# Allegro board 8880F5-0827_6.brd (continued)
## Routing (per net, layer and track width the routed paths; a pad name or vN(x,y) marks a point on that pad's centre or on a via; arc(x,y) is an arc through that point) (continued)
 125.27,55.88 ; 321.77,415.29 DPS2.A11 ; DPS2.A11 323.39,415.29 ; DPS2.A11 322.58,416.1 ; DPS2.A11 322.58,414.48 ; D114.B14 314.96,348.79 ; D114.B14 315.77,347.98 ; D114.B14 314.96,347.17 ; D114.B14 314.15,347.98 ; 185.42,67.87 D318.B11 ; D318.B11 186.13,68.58 ; D318.B11 185.42,69.29 ; D318.B11 184.71,68.58 ; 233.68,62.79 D322.A1 ; D322.A1 232.97,63.5 ; D322.A1 233.68,64.21 ; D322.A1 234.39,63.5 ; 331.93,330.2 D113.B7 ; D113.B7 332.74,331.01 ; D113.B7 332.74,329.39 ; D113.B7 333.55,330.2 ; SITE3.G11 252.81,187.93 ; SITE3.G11 252.33,187.45 ; SITE3.G11 251.85,187.93 ; SITE3.G11 252.33,188.41 ; D120.B1 160.02,38.91 ; D120.B1 160.83,38.1 ; D120.B1 160.02,37.29 ; D120.B1 159.21,38.1 ; D306.B16 419.81,71.12 ; D306.B16 419.1,71.83 ; D306.B16 419.1,70.41 ; D306.B16 418.39,71.12 ; CSDPS225.B8 256.54,333.55 ; CSDPS225.B8 257.35,332.74 ; CSDPS225.B8 256.54,331.93 ; CSDPS225.B8 255.73,332.74 ; D114.A15 312.42,356.41 ; D114.A15 311.61,355.6 ; D114.A15 312.42,354.79 ; D114.A15 313.23,355.6 ; 421.64,349.71 D110.B1 ; D110.B1 422.45,350.52 ; D110.B1 421.64,351.33 ; D110.B1 420.83,350.52 ; D131.B2 89.71,60.96 ; D131.B2 88.09,60.96 ; D131.B2 88.9,61.77 ; D131.B2 88.9,60.15 ; 312.42,414.48 DPS2.A15 ; DPS2.A15 312.42,416.1 ; DPS2.A15 311.61,415.29 ; DPS2.A15 313.23,415.29 ; D317.A2 163.27,86.36 ; D317.A2 162.56,85.65 ; D317.A2 162.56,87.07 ; D317.A2 161.85,86.36 ; D127.A3 17.78,54.15 ; D127.A3 18.59,53.34 ; D127.A3 16.97,53.34 ; D127.A3 17.78,52.53 ; 110.95,73.66 D130.A11 ; D130.A11 111.76,74.47 ; D130.A11 111.76,72.85 ; D130.A11 112.57,73.66 ; UNK3U1.4 98.23,161.85 ; UNK3U1.4 97.29,160.91 ; UNK3U1.4 96.35,161.85 ; UNK3U1.4 97.29,162.79 ; 391.16,37.29 D108.B5 ; D108.B5 390.35,38.1 ; D108.B5 391.97,38.1 ; D108.B5 391.16,38.91 ; 116.84,52.53 D131.A13 ; D131.A13 117.65,53.34 ; D131.A13 116.03,53.34 ; D131.A13 116.84,54.15 ; D114.B2 346.25,347.98 ; D114.B2 345.44,347.17 ; D114.B2 344.63,347.98 ; D114.B2 345.44,348.79 ; 93.98,100.79 D129.B4 ; D129.B4 93.98,102.41 ; D129.B4 93.17,101.6 ; D129.B4 94.79,101.6 ; D104.A11 333.55,33.02 ; D104.A11 332.74,33.83 ; D104.A11 331.93,33.02 ; D104.A11 332.74,32.21 ; 113.49,81.28 D130.B12 ; D130.B12 114.3,82.09 ; D130.B12 115.11,81.28 ; D130.B12 114.3,80.47 ; 182.88,367.49 D231.B8 ; D231.B8 182.88,369.11 ; D231.B8 182.07,368.3 ; D231.B8 183.69,368.3 ; CSDPS425.C3 270.05,340.36 ; CSDPS425.C3 269.24,341.17 ; CSDPS425.C3 269.24,339.55 ; CSDPS425.C3 268.43,340.36 ; 325.12,372.57 D115.A10 ; D115.A10 325.12,374.19 ; D115.A10 325.93,373.38 ; D115.A10 324.31,373.38 ; D119.B5 170.99,58.42 ; D119.B5 170.18,59.23 ; D119.B5 169.37,58.42 ; D119.B5 170.18,57.61 ; 312.42,32.21 D104.A3 ; D104.A3 313.23,33.02 ; D104.A3 312.42,33.83 ; D104.A3 311.61,33.02 ; D118.B1 160.83,78.74 ; D118.B1 160.02,77.93 ; D118.B1 159.21,78.74 ; D118.B1 160.02,79.55 ; D431.A11 176.07,386.08 ; D431.A11 174.45,386.08 ; D431.A11 175.26,386.89 ; D431.A11 175.26,385.27 ; D132.A7 102.41,33.02 ; D132.A7 101.6,32.21 ; D132.A7 100.79,33.02 ; D132.A7 101.6,33.83 ; 309.07,76.2 D102.A2 ; D102.A2 309.88,77.01 ; D102.A2 310.69,76.2 ; D102.A2 309.88,75.39 ; 408.94,90.73 D305.B12 ; D305.B12 408.23,91.44 ; D305.B12 408.94,92.15 ; D305.B12 409.65,91.44 ; D118.B2 163.37,81.28 ; D118.B2 162.56,82.09 ; D118.B2 162.56,80.47 ; D118.B2 161.75,81.28 ; D110.A9 401.32,356.41 ; D110.A9 401.32,354.79 ; D110.A9 402.13,355.6 ; D110.A9 400.51,355.6 ; 391.16,77.93 D106.B5 ; D106.B5 390.35,78.74 ; D106.B5 391.97,78.74 ; D106.B5 391.16,79.55 ; SITE3.G7 248.81,187.93 ; SITE3.G7 247.85,187.93 ; SITE3.G7 248.33,187.45 ; SITE3.G7 248.33,188.41 ; CSDPS229.C1 200.66,331.01 ; CSDPS229.C1 199.85,330.2 ; CSDPS229.C1 201.47,330.2 ; CSDPS229.C1 200.66,329.39 ; 311.71,63.5 D302.A3 ; D302.A3 313.13,63.5 ; D302.A3 312.42,64.21 ; D302.A3 312.42,62.79 ; 177.8,34.75 D120.A8 ; D120.A8 178.61,35.56 ; D120.A8 177.8,36.37 ; D120.A8 176.99,35.56 ; 411.48,77.93 D106.B13 ; D106.B13 410.67,78.74 ; D106.B13 411.48,79.55 ; D106.B13 412.29,78.74 ; 192.23,76.2 D118.A14 ; D118.A14 193.04,75.39 ; D118.A14 193.85,76.2 ; D118.A14 193.04,77.01 ; D103.B7 322.58,59.23 ; D103.B7 322.58,57.61 ; D103.B7 321.77,58.42 ; D103.B7 323.39,58.42 ; D317.A10 182.88,87.07 ; D317.A10 182.17,86.36 ; D317.A10 183.59,86.36 ; D317.A10 182.88,85.65 ; 382.73,373.38 D111.A16 ; D111.A16 383.54,374.19 ; D111.A16 384.35,373.38 ; D111.A16 383.54,372.57 ; 193.04,372.57 D231.A4 ; D231.A4 192.23,373.38 ; D231.A4 193.04,374.19 ; D231.A4 193.85,373.38 ; D125.A16 50.8,97.33 ; D125.A16 49.99,96.52 ; D125.A16 50.8,95.71 ; D125.A16 51.61,96.52 ; 324.31,76.2 D102.A8 ; D102.A8 325.12,77.01 ; D102.A8 325.12,75.39 ; D102.A8 325.93,76.2 ; D301.B13 338.53,88.9 ; D301.B13 337.82,89.61 ; D301.B13 337.82,88.19 ; D301.B13 337.11,88.9 ; D107.B5 391.16,59.23 ; D107.B5 390.35,58.42 ; D107.B5 391.97,58.42 ; D107.B5 391.16,57.61 ; D132.B2 89.71,40.64 ; D132.B2 88.9,39.83 ; D132.B2 88.9,41.45 ; D132.B2 88.09,40.64 ; 166.93,71.12 D318.B4 ; D318.B4 167.64,70.41 ; D318.B4 167.64,71.83 ; D318.B4 168.35,71.12 ; D129.B3 92.25,99.06 ; D129.B3 90.63,99.06 ; D129.B3 91.44,99.87 ; D129.B3 91.44,98.25 ; D122.A1 234.49,73.66 ; D122.A1 233.68,74.47 ; D122.A1 232.87,73.66 ; D122.A1 233.68,72.85 ; 184.71,83.82 D317.A11 ; D317.A11 185.42,83.11 ; D317.A11 185.42,84.53 ; D317.A11 186.13,83.82 ; D126.A8 30.48,77.01 ; D126.A8 29.67,76.2 ; D126.A8 31.29,76.2 ; D126.A8 30.48,75.39 ; CSDPS225.B4 267.51,332.74 ; CSDPS225.B4 266.7,331.93 ; CSDPS225.B4 266.7,333.55 ; CSDPS225.B4 265.89,332.74 ; D317.B5 170.18,89.61 ; D317.B5 169.47,88.9 ; D317.B5 170.89,88.9 ; D317.B5 170.18,88.19 ; 415.75,355.6 D110.A3 ; D110.A3 416.56,356.41 ; D110.A3 417.37,355.6 ; D110.A3 416.56,354.79 ; D126.A13 43.99,73.66 ; D126.A13 43.18,74.47 ; D126.A13 43.18,72.85 ; D126.A13 42.37,73.66 ; D113.B9 327.66,331.01 ; D113.B9 328.47,330.2 ; D113.B9 326.85,330.2 ; D113.B9 327.66,329.39 ; DPS1.A01 381,14.78 ; DPS1.A01 381.81,13.97 ; DPS1.A01 380.19,13.97 ; DPS1.A01 381,13.16 ; D123.B4 242.11,60.96 ; D123.B4 241.3,60.15 ; D123.B4 241.3,61.77 ; D123.B4 240.49,60.96 ; 32.21,78.74 D126.B9 ; D126.B9 33.83,78.74 ; D126.B9 33.02,77.93 ; D126.B9 33.02,79.55 ; D231.B3 195.58,371.65 ; D231.B3 195.58,370.03 ; D231.B3 196.39,370.84 ; D231.B3 194.77,370.84 ; 177.8,331.93 CSDPS229.B10 ; CSDPS229.B10 178.61,332.74 ; CSDPS229.B10 176.99,332.74 ; CSDPS229.B10 177.8,333.55 ; D108.B6 393.7,41.45 ; D108.B6 392.89,40.64 ; D108.B6 393.7,39.83 ; D108.B6 394.51,40.64 ; D127.A11 38.91,53.34 ; D127.A11 38.1,52.53 ; D127.A11 37.29,53.34 ; D127.A11 38.1,54.15 ; D301.B14 340.36,92.15 ; D301.B14 341.07,91.44 ; D301.B14 340.36,90.73 ; D301.B14 339.65,91.44 ; D106.B8 399.59,81.28 ; D106.B8 398.78,80.47 ; D106.B8 397.97,81.28 ; D106.B8 398.78,82.09 ; 248.92,57.61 D123.B7 ; D123.B7 249.73,58.42 ; D123.B7 248.11,58.42 ; D123.B7 248.92,59.23 ; D109.B15 386.89,330.2 ; D109.B15 386.08,331.01 ; D109.B15 386.08,329.39 ; D109.B15 385.27,330.2 ; D112.B15 386.08,391.97 ; D112.B15 386.08,390.35 ; D112.B15 386.89,391.16 ; D112.B15 385.27,391.16 ; 340.36,352.25 D114.A4 ; D114.A4 341.17,353.06 ; D114.A4 340.36,353.87 ; D114.A4 339.55,353.06 ; 383.54,85.65 D305.A2 ; D305.A2 382.83,86.36 ; D305.A2 383.54,87.07 ; D305.A2 384.25,86.36 ; D102.A5 318.31,73.66 ; D102.A5 317.5,74.47 ; D102.A5 317.5,72.85 ; D102.A5 316.69,73.66 ; 179.53,386.08 D431.A9 ; D431.A9 181.15,386.08 ; D431.A9 180.34,385.27 ; D431.A9 180.34,386.89 ; D130.B9 106.68,79.55 ; D130.B9 106.68,77.93 ; D130.B9 107.49,78.74 ; D130.B9 105.87,78.74 ; D119.A10 182.88,56.69 ; D119.A10 182.07,55.88 ; D119.A10 183.69,55.88 ; D119.A10 182.88,55.07 ; D126.B11 38.91,78.74 ; D126.B11 38.1,77.93 ; D126.B11 37.29,78.74 ; D126.B11 38.1,79.55 ; 245.57,40.64 D124.B6 ; D124.B6 246.38,39.83 ; D124.B6 247.19,40.64 ; D124.B6 246.38,41.45 ; 339.65,66.04 D302.A14 ; D302.A14 341.07,66.04 ; D302.A14 340.36,65.33 ; D302.A14 340.36,66.75 ; 413.21,35.56 D108.A14 ; D108.A14 414.02,36.37 ; D108.A14 414.02,34.75 ; D108.A14 414.83,35.56 ; D102.B9 327.66,79.55 ; D102.B9 326.85,78.74 ; D102.B9 327.66,77.93 ; D102.B9 328.47,78.74 ; D128.A10 36.37,35.56 ; D128.A10 35.56,36.37 ; D128.A10 34.75,35.56 ; D128.A10 35.56,34.75 ; 482.49,170.56 UNK4U2.4 ; UNK4U2.4 483.43,171.51 ; UNK4U2.4 481.55,171.51 ; UNK4U2.4 482.49,172.45 ; 34.75,55.88 D127.A10 ; D127.A10 35.56,56.69 ; D127.A10 36.37,55.88 ; D127.A10 35.56,55.07 ; 176.99,368.3 D231.B10 ; D231.B10 177.8,367.49 ; D231.B10 178.61,368.3 ; D231.B10 177.8,369.11 ; D302.A10 330.91,66.04 ; D302.A10 330.2,66.75 ; D302.A10 330.2,65.33 ; D302.A10 329.49,66.04 ; 174.45,38.1 D120.B7 ; D120.B7 175.26,37.29 ; D120.B7 176.07,38.1 ; D120.B7 175.26,38.91 ; D318.A4 168.35,66.04 ; D318.A4 167.64,66.75 ; D318.A4 166.93,66.04 ; D318.A4 167.64,65.33 ; 24.59,76.2 D126.A6 ; D126.A6 25.4,77.01 ; D126.A6 26.21,76.2 ; D126.A6 25.4,75.39 ; D112.A3 416.56,397.05 ; D112.A3 415.75,396.24 ; D112.A3 416.56,395.43 ; D112.A3 417.37,396.24 ; 240.49,342.9 CSDPS425.B14 ; CSDPS425.B14 241.3,342.09 ; CSDPS425.B14 242.11,342.9 ; CSDPS425.B14 241.3,343.71 ; D109.A11 396.24,336.09 ; D109.A11 397.05,335.28 ; D109.A11 395.43,335.28 ; D109.A11 396.24,334.47 ; D112.A5 411.48,397.05 ; D112.A5 412.29,396.24 ; D112.A5 411.48,395.43 ; D112.A5 410.67,396.24 ; 43.18,52.53 D127.A13 ; D127.A13 42.37,53.34 ; D127.A13 43.18,54.15 ; D127.A13 43.99,53.34 ; D103.A6 320.04,56.69 ; D103.A6 320.85,55.88 ; D103.A6 319.23,55.88 ; D103.A6 320.04,55.07 ; 232.87,33.02 D124.A1 ; D124.A1 233.68,32.21 ; D124.A1 233.68,33.83 ; D124.A1 234.49,33.02 ; D106.B14 414.83,81.28 ; D106.B14 414.02,82.09 ; D106.B14 413.21,81.28 ; D106.B14 414.02,80.47 ; D126.A2 16.05,76.2 ; D126.A2 14.43,76.2 ; D126.A2 15.24,77.01 ; D126.A2 15.24,75.39 ; 255.83,86.36 D321.A10 ; D321.A10 256.54,87.07 ; D321.A10 257.25,86.36 ; D321.A10 256.54,85.65 ; 327.66,390.35 D116.B9 ; D116.B9 327.66,391.97 ; D116.B9 326.85,391.16 ; D116.B9 328.47,391.16 ; 245.57,342.9 CSDPS425.B12 ; CSDPS425.B12 246.38,343.71 ; CSDPS425.B12 247.19,342.9 ; CSDPS425.B12 246.38,342.09 ; 238.76,57.61 D123.B3 ; D123.B3 237.95,58.42 ; D123.B3 239.57,58.42 ; D123.B3 238.76,59.23 ; DPS1.C05 391.16,19.86 ; DPS1.C05 391.16,18.24 ; DPS1.C05 391.97,19.05 ; DPS1.C05 390.35,19.05 ; D321.B5 244.55,88.9 ; D321.B5 243.84,88.19 ; D321.B5 243.84,89.61 ; D321.B5 243.13,88.9 ; 22.05,58.42 D127.B5 ; D127.B5 22.86,59.23 ; D127.B5 23.67,58.42 ; D127.B5 22.86,57.61 ; D132.B5 96.52,38.91 ; D132.B5 96.52,37.29 ; D132.B5 95.71,38.1 ; D132.B5 97.33,38.1 ; 309.88,326.85 D113.B16 ; D113.B16 309.07,327.66 ; D113.B16 309.88,328.47 ; D113.B16 310.69,327.66 ; D112.B1 421.64,391.97 ; D112.B1 420.83,391.16 ; D112.B1 422.45,391.16 ; D112.B1 421.64,390.35 ; D122.B4 242.11,81.28 ; D122.B4 240.49,81.28 ; D122.B4 241.3,82.09 ; D122.B4 241.3,80.47 ; D119.B3 165.91,58.42 ; D119.B3 165.1,57.61 ; D119.B3 165.1,59.23 ; D119.B3 164.29,58.42 ; 121.11,78.74 D130.B15 ; D130.B15 122.73,78.74 ; D130.B15 121.92,77.93 ; D130.B15 121.92,79.55 ; DPS3.C05 244.65,19.05 ; DPS3.C05 243.84,19.86 ; DPS3.C05 243.03,19.05 ; DPS3.C05 243.84,18.24 ; D431.B13 170.18,381.81 ; D431.B13 169.37,381 ; D431.B13 170.18,380.19 ; D431.B13 170.99,381 ; 314.15,35.56 D104.A4 ; D104.A4 315.77,35.56 ; D104.A4 314.96,36.37 ; D104.A4 314.96,34.75 ; 250.95,182.83 SITE3.G15 ; SITE3.G15 251.43,183.31 ; SITE3.G15 251.91,182.83 ; SITE3.G15 251.43,182.35 ; D128.B10 36.37,40.64 ; D128.B10 35.56,41.45 ; D128.B10 35.56,39.83 ; D128.B10 34.75,40.64 ; D305.A5 391.87,83.82 ; D305.A5 390.45,83.82 ; D305.A5 391.16,83.11 ; D305.A5 391.16,84.53 ; D301.A3 313.13,83.82 ; D301.A3 312.42,84.53 ; D301.A3 311.71,83.82 ; D301.A3 312.42,83.11 ; D107.A12 408.94,56.69 ; D107.A12 409.75,55.88 ; D107.A12 408.94,55.07 ; D107.A12 408.13,55.88 ; D125.A13 43.18,94.79 ; D125.A13 43.18,93.17 ; D125.A13 42.37,93.98 ; D125.A13 43.99,93.98 ; 327.85,241.33 SITE2.G1 ; SITE2.G1 328.81,241.33 ; SITE2.G1 328.33,240.85 ; SITE2.G1 328.33,241.81 ; D128.A11 38.91,33.02 ; D128.A11 38.1,33.83 ; D128.A11 38.1,32.21 ; D128.A11 37.29,33.02 ; D110.B4 414.02,348.79 ; D110.B4 414.02,347.17 ; D110.B4 414.83,347.98 ; D110.B4 413.21,347.98 ; D107.B2 383.54,61.77 ; D107.B2 383.54,60.15 ; D107.B2 384.35,60.96 ; D107.B2 382.73,60.96 ; 184.61,330.2 CSDPS229.C7 ; CSDPS229.C7 186.23,330.2 ; CSDPS229.C7 185.42,329.39 ; CSDPS229.C7 185.42,331.01 ; 339.55,81.28 D102.B14 ; D102.B14 341.17,81.28 ; D102.B14 340.36,82.09 ; D102.B14 340.36,80.47 ; D115.B8 331.01,368.3 ; D115.B8 330.2,367.49 ; D115.B8 330.2,369.11 ; D115.B8 329.39,368.3 ; D107.A5 391.16,54.15 ; D107.A5 391.16,52.53 ; D107.A5 391.97,53.34 ; D107.A5 390.35,53.34 ; D322.B11 259.79,68.58 ; D322.B11 259.08,67.87 ; D322.B11 259.08,69.29 ; D322.B11 258.37,68.58 ; 116.84,93.17 D129.A13 ; D129.A13 116.03,93.98 ; D129.A13 116.84,94.79 ; D129.A13 117.65,93.98 ; D321.A8 251.46,87.07 ; D321.A8 251.46,85.65 ; D321.A8 252.17,86.36 ; D321.A8 250.75,86.36 ; 27.13,33.02 D128.A7 ; D128.A7 27.94,33.83 ; D128.A7 27.94,32.21 ; D128.A7 28.75,33.02 ; D106.B15 416.56,79.55 ; D106.B15 416.56,77.93 ; D106.B15 415.75,78.74 ; D106.B15 417.37,78.74 ; 40.64,80.47 D126.B12 ; D126.B12 40.64,82.09 ; D126.B12 41.45,81.28 ; D126.B12 39.83,81.28 ; 390.35,370.84 D111.B13 ; D111.B13 391.16,370.03 ; D111.B13 391.97,370.84 ; D111.B13 391.16,371.65 ; 383.54,347.17 D110.B16 ; D110.B16 382.73,347.98 ; D110.B16 383.54,348.79 ; D110.B16 384.35,347.98 ; D118.B14 193.85,81.28 ; D118.B14 193.04,82.09 ; D118.B14 192.23,81.28 ; D118.B14 193.04,80.47 ; 248.11,340.36 CSDPS425.C11 ; CSDPS425.C11 249.73,340.36 ; CSDPS425.C11 248.92,339.55 ; CSDPS425.C11 248.92,341.17 ; 180.34,370.03 D231.B9 ; D231.B9 180.34,371.65 ; D231.B9 181.15,370.84 ; D231.B9 179.53,370.84 ; 161.75,342.9 CSDPS429.B16 ; CSDPS429.B16 163.37,342.9 ; CSDPS429.B16 162.56,342.09 ; CSDPS429.B16 162.56,343.71 ; D103.A10 331.01,55.88 ; D103.A10 330.2,56.69 ; D103.A10 329.39,55.88 ; D103.A10 330.2,55.07 ; D108.A3 386.89,33.02 ; D108.A3 385.27,33.02 ; D108.A3 386.08,33.83 ; D108.A3 386.08,32.21 ; 401.32,329.39 D109.B9 ; D109.B9 401.32,331.01 ; D109.B9 400.51,330.2 ; D109.B9 402.13,330.2 ; 176.99,60.96 D119.B8 ; D119.B8 177.8,60.15 ; D119.B8 177.8,61.77 ; D119.B8 178.61,60.96 ; D111.B8 404.67,368.3 ; D111.B8 403.05,368.3 ; D111.B8 403.86,369.11 ; D111.B8 403.86,367.49 ; D109.B5 411.48,331.01 ; D109.B5 412.29,330.2 ; D109.B5 411.48,329.39 ; D109.B5 410.67,330.2 ; 250.33,247.45 SITE1.G9 ; SITE1.G9 250.81,247.93 ; SITE1.G9 250.33,248.41 ; SITE1.G9 249.85,247.93 ; 274.32,339.55 CSDPS425.C1 ; CSDPS425.C1 275.13,340.36 ; CSDPS425.C1 274.32,341.17 ; CSDPS425.C1 273.51,340.36 ; D130.B11 112.57,78.74 ; D130.B11 111.76,79.55 ; D130.B11 110.95,78.74 ; D130.B11 111.76,77.93 ; D119.B15 195.58,59.23 ; D119.B15 194.77,58.42 ; D119.B15 195.58,57.61 ; D119.B15 196.39,58.42 ; D114.A8 330.2,353.87 ; D114.A8 330.2,352.25 ; D114.A8 329.39,353.06 ; D114.A8 331.01,353.06 ; D115.A1 348.79,375.92 ; D115.A1 347.17,375.92 ; D115.A1 347.98,375.11 ; D115.A1 347.98,376.73 ; D125.A5 22.86,94.79 ; D125.A5 23.67,93.98 ; D125.A5 22.86,93.17 ; D125.A5 22.05,93.98 ; 344.63,55.88 D103.A16 ; D103.A16 345.44,55.07 ; D103.A16 346.25,55.88 ; D103.A16 345.44,56.69 ; 263.35,78.74 D122.B13 ; D122.B13 264.97,78.74 ; D122.B13 264.16,77.93 ; D122.B13 264.16,79.55 ; D113.A15 313.23,335.28 ; D113.A15 311.61,335.28 ; D113.A15 312.42,336.09 ; D113.A15 312.42,334.47 ; D301.B5 318.21,88.9 ; D301.B5 316.79,88.9 ; D301.B5 317.5,89.61 ; D301.B5 317.5,88.19 ; D110.B2 419.1,348.79 ; D110.B2 419.1,347.17 ; D110.B2 419.91,347.98 ; D110.B2 418.29,347.98 ; 386.08,72.85 D106.A3 ; D106.A3 386.89,73.66 ; D106.A3 386.08,74.47 ; D106.A3 385.27,73.66 ; D120.A15 196.39,33.02 ; D120.A15 195.58,33.83 ; D120.A15 194.77,33.02 ; D120.A15 195.58,32.21 ; D305.B9 402.03,88.9 ; D305.B9 400.61,88.9 ; D305.B9 401.32,89.61 ; D305.B9 401.32,88.19 ; 248.85,181.33 SITE3.G2 ; SITE3.G2 249.81,181.33 ; SITE3.G2 249.33,181.81 ; SITE3.G2 249.33,180.85 ; D302.B9 328.37,68.58 ; D302.B9 327.66,69.29 ; D302.B9 326.95,68.58 ; D302.B9 327.66,67.87 ; 413.21,55.88 D107.A14 ; D107.A14 414.83,55.88 ; D107.A14 414.02,55.07 ; D107.A14 414.02,56.69 ; D123.A16 272.59,55.88 ; D123.A16 270.97,55.88 ; D123.A16 271.78,55.07 ; D123.A16 271.78,56.69 ; 395.43,370.84 D111.B11 ; D111.B11 397.05,370.84 ; D111.B11 396.24,370.03 ; D111.B11 396.24,371.65 ; D114.A11 322.58,356.41 ; D114.A11 321.77,355.6 ; D114.A11 323.39,355.6 ; D114.A11 322.58,354.79 ; 250.95,242.83 SITE1.G15 ; SITE1.G15 251.43,242.35 ; SITE1.G15 251.91,242.83 ; SITE1.G15 251.43,243.31 ; 189.69,410.21 DPS8.C05 ; DPS8.C05 191.31,410.21 ; DPS8.C05 190.5,409.4 ; DPS8.C05 190.5,411.02 ; D109.B16 384.35,327.66 ; D109.B16 383.54,328.47 ; D109.B16 382.73,327.66 ; D109.B16 383.54,326.85 ; D231.A8 183.69,373.38 ; D231.A8 182.07,373.38 ; D231.A8 182.88,374.19 ; D231.A8 182.88,372.57 ; D122.A13 264.97,73.66 ; D122.A13 264.16,74.47 ; D122.A13 264.16,72.85 ; D122.A13 263.35,73.66 ; 406.4,395.43 D112.A7 ; D112.A7 405.59,396.24 ; D112.A7 406.4,397.05 ; D112.A7 407.21,396.24 ; D102.A12 336.09,76.2 ; D102.A12 334.47,76.2 ; D102.A12 335.28,75.39 ; D102.A12 335.28,77.01 ; 405.69,63.5 D306.A11 ; D306.A11 406.4,62.79 ; D306.A11 406.4,64.21 ; D306.A11 407.11,63.5 ; D111.B15 386.08,371.65 ; D111.B15 385.27,370.84 ; D111.B15 386.08,370.03 ; D111.B15 386.89,370.84 ; D119.A1 160.02,54.15 ; D119.A1 160.02,52.53 ; D119.A1 159.21,53.34 ; D119.A1 160.83,53.34 ; 238.76,67.87 D322.B3 ; D322.B3 238.76,69.29 ; D322.B3 239.47,68.58 ; D322.B3 238.05,68.58 ; D118.A8 178.61,76.2 ; D118.A8 177.8,75.39 ; D118.A8 177.8,77.01 ; D118.A8 176.99,76.2 ; D126.A5 22.86,74.47 ; D126.A5 23.67,73.66 ; D126.A5 22.86,72.85 ; D126.A5 22.05,73.66 ; D301.A14 340.36,87.07 ; D301.A14 339.65,86.36 ; D301.A14 340.36,85.65 ; D301.A14 341.07,86.36 ; 317.5,67.87 D302.B5 ; D302.B5 317.5,69.29 ; D302.B5 318.21,68.58 ; D302.B5 316.79,68.58 ; D302.A9 328.37,63.5 ; D302.A9 327.66,62.79 ; D302.A9 326.95,63.5 ; D302.A9 327.66,64.21 ; D102.A16 345.44,77.01 ; D102.A16 345.44,75.39 ; D102.A16 346.25,76.2 ; D102.A16 344.63,76.2 ; D120.B9 180.34,38.91 ; D120.B9 179.53,38.1 ; D120.B9 180.34,37.29 ; D120.B9 181.15,38.1 ; 330.2,90.73 D301.B10 ; D301.B10 330.91,91.44 ; D301.B10 330.2,92.15 ; D301.B10 329.49,91.44 ; 400.51,53.34 D107.A9 ; D107.A9 401.32,54.15 ; D107.A9 401.32,52.53 ; D107.A9 402.13,53.34 ; D321.B11 259.08,89.61 ; D321.B11 258.37,88.9 ; D321.B11 259.08,88.19 ; D321.B11 259.79,88.9 ; 415.75,370.84 D111.B3 ; D111.B3 417.37,370.84 ; D111.B3 416.56,371.65 ; D111.B3 416.56,370.03 ; SITE4.G12 333.81,187.93 ; SITE4.G12 333.33,187.45 ; SITE4.G12 333.33,188.41 ; SITE4.G12 332.85,187.93 ; 253.29,88.9 D321.B9 ; D321.B9 254,88.19 ; D321.B9 254,89.61 ; D321.B9 254.71,88.9 ; 235.41,40.64 D124.B2 ; D124.B2 236.22,41.45 ; D124.B2 237.03,40.64 ; D124.B2 236.22,39.83 ; 416.56,83.11 D305.A15 ; D305.A15 416.56,84.53 ; D305.A15 417.27,83.82 ; D305.A15 415.85,83.82 ; D107.B12 409.75,60.96 ; D107.B12 408.94,61.77 ; D107.B12 408.13,60.96 ; D107.B12 408.94,60.15 ; D107.B7 397.05,58.42 ; D107.B7 396.24,59.23 ; D107.B7 395.43,58.42 ; D107.B7 396.24,57.61 ; D122.A14 267.51,76.2 ; D122.A14 266.7,75.39 ; D122.A14 265.89,76.2 ; D122.A14 266.7,77.01 ; D127.B12 40.64,61.77 ; D127.B12 40.64,60.15 ; D127.B12 39.83,60.96 ; D127.B12 41.45,60.96 ; 185.42,380.19 D431.B7 ; D431.B7 185.42,381.81 ; D431.B7 186.23,381 ; D431.B7 184.61,381 ; 393.7,80.47 D106.B6 ; D106.B6 393.7,82.09 ; D106.B6 392.89,81.28 ; D106.B6 394.51,81.28 ; 253.19,58.42 D123.B9 ; D123.B9 254.81,58.42 ; D123.B9 254,59.23 ; D123.B9 254,57.61 ; D302.B12 335.99,71.12 ; D302.B12 335.28,70.41 ; D302.B12 334.57,71.12 ; D302.B12 335.28,71.83 ; D113.A2 345.44,333.55 ; D113.A2 346.25,332.74 ; D113.A2 344.63,332.74 ; D113.A2 345.44,331.93 ; 197.41,86.36 D317.A16 ; D317.A16 198.83,86.36 ; D317.A16 198.12,87.07 ; D317.A16 198.12,85.65 ; D103.B11 333.55,58.42 ; D103.B11 332.74,59.23 ; D103.B11 332.74,57.61 ; D103.B11 331.93,58.42 ; 251.85,181.33 SITE3.G5 ; SITE3.G5 252.81,181.33 ; SITE3.G5 252.33,181.81 ; SITE3.G5 252.33,180.85 ; 177.09,86.36 D317.A8 ; D317.A8 178.51,86.36 ; D317.A8 177.8,85.65 ; D317.A8 177.8,87.07 ; 328.33,187.45 SITE4.G7 ; SITE4.G7 328.33,188.41 ; SITE4.G7 327.85,187.93 ; SITE4.G7 328.81,187.93 ; D116.B3 343.71,391.16 ; D116.B3 342.9,391.97 ; D116.B3 342.09,391.16 ; D116.B3 342.9,390.35 ; 15.24,34.75 D128.A2 ; D128.A2 14.43,35.56 ; D128.A2 16.05,35.56 ; D128.A2 15.24,36.37 ; D119.B16 198.12,61.77 ; D119.B16 198.12,60.15 ; D119.B16 197.31,60.96 ; D119.B16 198.93,60.96 ; 342.9,329.39 D113.B3 ; D113.B3 342.09,330.2 ; D113.B3 342.9,331.01 ; D113.B3 343.71,330.2 ; D110.A12 393.7,353.87 ; D110.A12 393.7,352.25 ; D110.A12 392.89,353.06 ; D110.A12 394.51,353.06 ; 108.41,55.88 D131.A10 ; D131.A10 110.03,55.88 ; D131.A10 109.22,56.69 ; D131.A10 109.22,55.07 ; 332.74,77.93 D102.B11 ; D102.B11 332.74,79.55 ; D102.B11 331.93,78.74 ; D102.B11 333.55,78.74 ; D321.B2 236.22,92.15 ; D321.B2 236.22,90.73 ; D321.B2 235.51,91.44 ; D321.B2 236.93,91.44 ; 269.24,18.24 DPS3.C15 ; DPS3.C15 269.24,19.86 ; DPS3.C15 268.43,19.05 ; DPS3.C15 270.05,19.05 ; D321.A1 233.68,84.53 ; D321.A1 232.97,83.82 ; D321.A1 233.68,83.11 ; D321.A1 234.39,83.82 ; D102.A7 322.58,74.47 ; D102.A7 321.77,73.66 ; D102.A7 323.39,73.66 ; D102.A7 322.58,72.85 ; D132.B13 117.65,38.1 ; D132.B13 116.03,38.1 ; D132.B13 116.84,37.29 ; D132.B13 116.84,38.91 ; 245.57,81.28 D122.B6 ; D122.B6 247.19,81.28 ; D122.B6 246.38,82.09 ; D122.B6 246.38,80.47 ; D104.B9 327.66,38.91 ; D104.B9 328.47,38.1 ; D104.B9 326.85,38.1 ; D104.B9 327.66,37.29 ; D321.A16 272.49,86.36 ; D321.A16 271.07,86.36 ; D321.A16 271.78,87.07 ; D321.A16 271.78,85.65 ; 179.63,68.58 D318.B9 ; D318.B9 180.34,69.29 ; D318.B9 181.05,68.58 ; D318.B9 180.34,67.87 ; D103.B5 318.31,58.42 ; D103.B5 317.5,59.23 ; D103.B5 316.69,58.42 ; D103.B5 317.5,57.61 ; D129.B9 107.49,99.06 ; D129.B9 106.68,99.87 ; D129.B9 105.87,99.06 ; D129.B9 106.68,98.25 ; 88.09,81.28 D130.B2 ; D130.B2 89.71,81.28 ; D130.B2 88.9,82.09 ; D130.B2 88.9,80.47 ; 337.01,375.92 D115.A5 ; D115.A5 338.63,375.92 ; D115.A5 337.82,376.73 ; D115.A5 337.82,375.11 ; 11.89,73.66 D126.A1 ; D126.A1 12.7,72.85 ; D126.A1 12.7,74.47 ; D126.A1 13.51,73.66 ; 309.88,34.75 D104.A2 ; D104.A2 309.07,35.56 ; D104.A2 309.88,36.37 ; D104.A2 310.69,35.56 ; 106.68,52.53 D131.A9 ; D131.A9 105.87,53.34 ; D131.A9 107.49,53.34 ; D131.A9 106.68,54.15 ; D306.B4 388.62,71.83 ; D306.B4 387.91,71.12 ; D306.B4 388.62,70.41 ; D306.B4 389.33,71.12 ; 252.15,186.43 SITE3.G20 ; SITE3.G20 252.63,186.91 ; SITE3.G20 253.11,186.43 ; SITE3.G20 252.63,185.95 ; D131.A1 86.36,54.15 ; D131.A1 87.17,53.34 ; D131.A1 86.36,52.53 ; D131.A1 85.55,53.34 ; 397.97,388.62 D112.B10 ; D112.B10 399.59,388.62 ; D112.B10 398.78,387.81 ; D112.B10 398.78,389.43 ; D302.B10 330.2,71.83 ; D302.B10 329.49,71.12 ; D302.B10 330.2,70.41 ; D302.B10 330.91,71.12 ; 255.73,55.88 D123.A10 ; D123.A10 257.35,55.88 ; D123.A10 256.54,55.07 ; D123.A10 256.54,56.69 ; D128.B5 22.86,38.91 ; D128.B5 23.67,38.1 ; D128.B5 22.86,37.29 ; D128.B5 22.05,38.1 ; D102.B1 308.15,78.74 ; D102.B1 306.53,78.74 ; D102.B1 307.34,77.93 ; D102.B1 307.34,79.55 ; CSDPS425.B2 272.59,342.9 ; CSDPS425.B2 271.78,343.71 ; CSDPS425.B2 271.78,342.09 ; CSDPS425.B2 270.97,342.9 ; 123.65,76.2 D130.A16 ; D130.A16 124.46,77.01 ; D130.A16 125.27,76.2 ; D130.A16 124.46,75.39 ; D128.A14 45.72,36.37 ; D128.A14 45.72,34.75 ; D128.A14 46.53,35.56 ; D128.A14 44.91,35.56 ; 312.42,349.71 D114.B15 ; D114.B15 312.42,351.33 ; D114.B15 311.61,350.52 ; D114.B15 313.23,350.52 ; 123.65,96.52 D129.A16 ; D129.A16 124.46,95.71 ; D129.A16 125.27,96.52 ; D129.A16 124.46,97.33 ; SITE1.G17 249.51,246.43 ; SITE1.G17 249.03,246.91 ; SITE1.G17 249.03,245.95 ; SITE1.G17 248.55,246.43 ; D305.B1 381,89.61 ; D305.B1 380.29,88.9 ; D305.B1 381.71,88.9 ; D305.B1 381,88.19 ; D115.B2 346.25,368.3 ; D115.B2 344.63,368.3 ; D115.B2 345.44,367.49 ; D115.B2 345.44,369.11 ; 347.17,355.6 D114.A1 ; D114.A1 348.79,355.6 ; D114.A1 347.98,356.41 ; D114.A1 347.98,354.79 ; 169.37,78.74 D118.B5 ; D118.B5 170.99,78.74 ; D118.B5 170.18,77.93 ; D118.B5 170.18,79.55 ; 382.73,40.64 D108.B2 ; D108.B2 383.54,41.45 ; D108.B2 384.35,40.64 ; D108.B2 383.54,39.83 ; 418.29,60.96 D107.B16 ; D107.B16 419.1,60.15 ; D107.B16 419.1,61.77 ; D107.B16 419.91,60.96 ; D302.A11 333.45,63.5 ; D302.A11 332.74,64.21 ; D302.A11 332.03,63.5 ; D302.A11 332.74,62.79 ; 245.67,71.12 D322.B6 ; D322.B6 246.38,71.83 ; D322.B6 247.09,71.12 ; D322.B6 246.38,70.41 ; 30.48,60.15 D127.B8 ; D127.B8 30.48,61.77 ; D127.B8 29.67,60.96 ; D127.B8 31.29,60.96 ; D317.B9 180.34,89.61 ; D317.B9 179.63,88.9 ; D317.B9 181.05,88.9 ; D317.B9 180.34,88.19 ; 200.66,375.11 D231.A1 ; D231.A1 199.85,375.92 ; D231.A1 200.66,376.73 ; D231.A1 201.47,375.92 ; D119.A12 188.77,55.88 ; D119.A12 187.15,55.88 ; D119.A12 187.96,56.69 ; D119.A12 187.96,55.07 ; 233.68,13.16 DPS3.A01 ; DPS3.A01 234.49,13.97 ; DPS3.A01 233.68,14.78 ; DPS3.A01 232.87,13.97 ; 344.63,81.28 D102.B16 ; D102.B16 346.25,81.28 ; D102.B16 345.44,80.47 ; D102.B16 345.44,82.09 ; 340.36,372.57 D115.A4 ; D115.A4 341.17,373.38 ; D115.A4 339.55,373.38 ; D115.A4 340.36,374.19 ; 401.32,77.93 D106.B9 ; D106.B9 401.32,79.55 ; D106.B9 400.51,78.74 ; D106.B9 402.13,78.74 ; D231.A9 181.15,375.92 ; D231.A9 180.34,376.73 ; D231.A9 179.53,375.92 ; D231.A9 180.34,375.11 ; D116.B1 347.98,391.97 ; D116.B1 347.17,391.16 ; D116.B1 347.98,390.35 ; D116.B1 348.79,391.16 ; D321.A15 269.24,84.53 ; D321.A15 269.24,83.11 ; D321.A15 269.95,83.82 ; D321.A15 268.53,83.82 ; D109.A15 386.89,335.28 ; D109.A15 386.08,336.09 ; D109.A15 385.27,335.28 ; D109.A15 386.08,334.47 ; 114.3,39.83 D132.B12 ; D132.B12 114.3,41.45 ; D132.B12 115.11,40.64 ; D132.B12 113.49,40.64 ; D122.A16 272.59,76.2 ; D122.A16 271.78,77.01 ; D122.A16 271.78,75.39 ; D122.A16 270.97,76.2 ; 335.28,65.33 D302.A12 ; D302.A12 335.99,66.04 ; D302.A12 334.57,66.04 ; D302.A12 335.28,66.75 ; 29.67,96.52 D125.A8 ; D125.A8 30.48,97.33 ; D125.A8 31.29,96.52 ; D125.A8 30.48,95.71 ; 250.85,181.33 SITE3.G4 ; SITE3.G4 251.81,181.33 ; SITE3.G4 251.33,181.81 ; SITE3.G4 251.33,180.85 ; D114.A9 327.66,356.41 ; D114.A9 326.85,355.6 ; D114.A9 328.47,355.6 ; D114.A9 327.66,354.79 ; 332.74,37.29 D104.B11 ; D104.B11 332.74,38.91 ; D104.B11 331.93,38.1 ; D104.B11 333.55,38.1 ; 330.2,331.93 D113.A8 ; D113.A8 330.2,333.55 ; D113.A8 331.01,332.74 ; D113.A8 329.39,332.74 ; 317.5,77.93 D102.B5 ; D102.B5 316.69,78.74 ; D102.B5 318.31,78.74 ; D102.B5 317.5,79.55 ; D317.A6 173.43,86.36 ; D317.A6 172.01,86.36 ; D317.A6 172.72,87.07 ; D317.A6 172.72,85.65 ; 187.15,368.3 D231.B6 ; D231.B6 187.96,367.49 ; D231.B6 187.96,369.11 ; D231.B6 188.77,368.3 ; D129.B14 120.19,101.6 ; D129.B14 118.57,101.6 ; D129.B14 119.38,102.41 ; D129.B14 119.38,100.79 ; 45.72,95.71 D125.A14 ; D125.A14 46.53,96.52 ; D125.A14 45.72,97.33 ; D125.A14 44.91,96.52 ; 334.47,60.96 D103.B12 ; D103.B12 336.09,60.96 ; D103.B12 335.28,61.77 ; D103.B12 335.28,60.15 ; D107.A7 397.05,53.34 ; D107.A7 395.43,53.34 ; D107.A7 396.24,52.53 ; D107.A7 396.24,54.15 ; D132.A10 109.22,36.37 ; D132.A10 108.41,35.56 ; D132.A10 110.03,35.56 ; D132.A10 109.22,34.75 ; 12.7,57.61 D127.B1 ; D127.B1 12.7,59.23 ; D127.B1 13.51,58.42 ; D127.B1 11.89,58.42 ; 264.16,62.79 D322.A13 ; D322.A13 263.45,63.5 ; D322.A13 264.16,64.21 ; D322.A13 264.87,63.5 ; 197.41,66.04 D318.A16 ; D318.A16 198.12,65.33 ; D318.A16 198.83,66.04 ; D318.A16 198.12,66.75 ; D132.A4 94.79,35.56 ; D132.A4 93.98,36.37 ; D132.A4 93.98,34.75 ; D132.A4 93.17,35.56 ; 187.96,85.65 D317.A12 ; D317.A12 187.96,87.07 ; D317.A12 188.67,86.36 ; D317.A12 187.25,86.36 ; D231.A17 160.83,375.92 ; D231.A17 159.21,375.92 ; D231.A17 160.02,376.73 ; D231.A17 160.02,375.11 ; 248.33,240.85 SITE1.G1 ; SITE1.G1 248.81,241.33 ; SITE1.G1 247.85,241.33 ; SITE1.G1 248.33,241.81 ; D107.B1 381,59.23 ; D107.B1 381.81,58.42 ; D107.B1 380.19,58.42 ; D107.B1 381,57.61 ; 182.17,71.12 D318.B10 ; D318.B10 182.88,71.83 ; D318.B10 182.88,70.41 ; D318.B10 183.59,71.12 ; 258.27,330.2 CSDPS225.C7 ; CSDPS225.C7 259.08,329.39 ; CSDPS225.C7 259.08,331.01 ; CSDPS225.C7 259.89,330.2 ; 329.33,187.45 SITE4.G8 ; SITE4.G8 328.85,187.93 ; SITE4.G8 329.81,187.93 ; SITE4.G8 329.33,188.41 ; 110.95,33.02 D132.A11 ; D132.A11 111.76,32.21 ; D132.A11 111.76,33.83 ; D132.A11 112.57,33.02 ; 250.85,247.93 SITE1.G10 ; SITE1.G10 251.81,247.93 ; SITE1.G10 251.33,248.41 ; SITE1.G10 251.33,247.45 ; 326.85,375.92 D115.A9 ; D115.A9 327.66,375.11 ; D115.A9 327.66,376.73 ; D115.A9 328.47,375.92 ; 110.95,99.06 D129.B11 ; D129.B11 112.57,99.06 ; D129.B11 111.76,99.87 ; D129.B11 111.76,98.25 ; D123.A6 247.19,55.88 ; D123.A6 246.38,56.69 ; D123.A6 245.57,55.88 ; D123.A6 246.38,55.07 ; 261.62,75.39 D122.A12 ; D122.A12 262.43,76.2 ; D122.A12 260.81,76.2 ; D122.A12 261.62,77.01 ; D119.A7 176.07,53.34 ; D119.A7 175.26,52.53 ; D119.A7 175.26,54.15 ; D119.A7 174.45,53.34 ; 309.88,392.89 D116.A16 ; D116.A16 309.88,394.51 ; D116.A16 309.07,393.7 ; D116.A16 310.69,393.7 ; CSDPS429.C11 175.26,341.17 ; CSDPS429.C11 176.07,340.36 ; CSDPS429.C11 175.26,339.55 ; CSDPS429.C11 174.45,340.36 ; D130.B10 110.03,81.28 ; D130.B10 108.41,81.28 ; D130.B10 109.22,82.09 ; D130.B10 109.22,80.47 ; 416.56,334.47 D109.A3 ; D109.A3 417.37,335.28 ; D109.A3 416.56,336.09 ; D109.A3 415.75,335.28 ; D115.A14 315.77,373.38 ; D115.A14 314.15,373.38 ; D115.A14 314.96,374.19 ; D115.A14 314.96,372.57 ; 85.55,38.1 D132.B1 ; D132.B1 87.17,38.1 ; D132.B1 86.36,37.29 ; D132.B1 86.36,38.91 ; 324.31,368.3 D115.B10 ; D115.B10 325.93,368.3 ; D115.B10 325.12,367.49 ; D115.B10 325.12,369.11 ; 16.97,38.1 D128.B3 ; D128.B3 18.59,38.1 ; D128.B3 17.78,38.91 ; D128.B3 17.78,37.29 ; SITE4.G2 329.81,181.33 ; SITE4.G2 328.85,181.33 ; SITE4.G2 329.33,180.85 ; SITE4.G2 329.33,181.81 ; D109.B4 414.83,327.66 ; D109.B4 414.02,328.47 ; D109.B4 413.21,327.66 ; D109.B4 414.02,326.85 ; CSDPS225.C11 249.73,330.2 ; CSDPS225.C11 248.92,329.39 ; CSDPS225.C11 248.11,330.2 ; CSDPS225.C11 248.92,331.01 ; D114.B16 309.88,348.79 ; D114.B16 309.07,347.98 ; D114.B16 310.69,347.98 ; D114.B16 309.88,347.17 ; 411.48,370.03 D111.B5 ; D111.B5 411.48,371.65 ; D111.B5 410.67,370.84 ; D111.B5 412.29,370.84 ; 190.5,375.11 D231.A5 ; D231.A5 191.31,375.92 ; D231.A5 190.5,376.73 ; D231.A5 189.69,375.92 ; 259.08,13.16 DPS3.A11 ; DPS3.A11 259.08,14.78 ; DPS3.A11 258.27,13.97 ; DPS3.A11 259.89,13.97 ; 32.21,53.34 D127.A9 ; D127.A9 33.02,52.53 ; D127.A9 33.02,54.15 ; D127.A9 33.83,53.34 ; 334.47,393.7 D116.A6 ; D116.A6 336.09,393.7 ; D116.A6 335.28,392.89 ; D116.A6 335.28,394.51 ; D322.B7 248.92,69.29 ; D322.B7 249.63,68.58 ; D322.B7 248.92,67.87 ; D322.B7 248.21,68.58 ; 397.97,393.7 D112.A10 ; D112.A10 398.78,392.89 ; D112.A10 399.59,393.7 ; D112.A10 398.78,394.51 ; 340.36,387.81 D116.B4 ; D116.B4 341.17,388.62 ; D116.B4 339.55,388.62 ; D116.B4 340.36,389.43 ; D132.A2 88.9,36.37 ; D132.A2 88.09,35.56 ; D132.A2 89.71,35.56 ; D132.A2 88.9,34.75 ; D118.A12 187.96,77.01 ; D118.A12 188.77,76.2 ; D118.A12 187.96,75.39 ; D118.A12 187.15,76.2 ; DPS1.A11 407.21,13.97 ; DPS1.A11 405.59,13.97 ; DPS1.A11 406.4,13.16 ; DPS1.A11 406.4,14.78 ; 187.96,39.83 D120.B12 ; D120.B12 187.96,41.45 ; D120.B12 187.15,40.64 ; D120.B12 188.77,40.64 ; D110.A15 386.89,355.6 ; D110.A15 385.27,355.6 ; D110.A15 386.08,356.41 ; D110.A15 386.08,354.79 ; D110.B9 402.13,350.52 ; D110.B9 401.32,349.71 ; D110.B9 401.32,351.33 ; D110.B9 400.51,350.52 ; D321.A9 254.71,83.82 ; D321.A9 254,84.53 ; D321.A9 253.29,83.82 ; D321.A9 254,83.11 ; 420.83,335.28 D109.A1 ; D109.A1 422.45,335.28 ; D109.A1 421.64,334.47 ; D109.A1 421.64,336.09 ; 182.07,332.74 CSDPS229.B8 ; CSDPS229.B8 183.69,332.74 ; CSDPS229.B8 182.88,331.93 ; CSDPS229.B8 182.88,333.55 ; 410.67,33.02 D108.A13 ; D108.A13 412.29,33.02 ; D108.A13 411.48,32.21 ; D108.A13 411.48,33.83 ; D123.A8 252.27,55.88 ; D123.A8 250.65,55.88 ; D123.A8 251.46,55.07 ; D123.A8 251.46,56.69 ; D127.B11 38.1,59.23 ; D127.B11 37.29,58.42 ; D127.B11 38.91,58.42 ; D127.B11 38.1,57.61 ; D109.A5 412.29,335.28 ; D109.A5 410.67,335.28 ; D109.A5 411.48,336.09 ; D109.A5 411.48,334.47 ; D128.B8 30.48,41.45 ; D128.B8 30.48,39.83 ; D128.B8 29.67,40.64 ; D128.B8 31.29,40.64 ; D317.B13 191.21,88.9 ; D317.B13 190.5,88.19 ; D317.B13 189.79,88.9 ; D317.B13 190.5,89.61 ; D115.B11 323.39,370.84 ; D115.B11 321.77,370.84 ; D115.B11 322.58,371.65 ; D115.B11 322.58,370.03 ; D102.A3 313.23,73.66 ; D102.A3 311.61,73.66 ; D102.A3 312.42,74.47 ; D102.A3 312.42,72.85 ; D114.A12 320.04,353.87 ; D114.A12 319.23,353.06 ; D114.A12 320.85,353.06 ; D114.A12 320.04,352.25 ; 184.61,38.1 D120.B11 ; D120.B11 185.42,37.29 ; D120.B11 185.42,38.91 ; D120.B11 186.23,38.1 ; 381,18.24 DPS1.C01 ; DPS1.C01 381,19.86 ; DPS1.C01 380.19,19.05 ; DPS1.C01 381.81,19.05 ; 235.51,86.36 D321.A2 ; D321.A2 236.22,87.07 ; D321.A2 236.93,86.36 ; D321.A2 236.22,85.65 ; 481.55,214.94 UNK2U2.4 ; UNK2U2.4 483.43,214.94 ; UNK2U2.4 482.49,214 ; UNK2U2.4 482.49,215.88 ; D102.A11 333.55,73.66 ; D102.A11 332.74,72.85 ; D102.A11 331.93,73.66 ; D102.A11 332.74,74.47 ; CSDPS229.B14 167.64,333.55 ; CSDPS229.B14 168.45,332.74 ; CSDPS229.B14 166.83,332.74 ; CSDPS229.B14 167.64,331.93 ; D321.B4 242.01,91.44 ; D321.B4 241.3,92.15 ; D321.B4 241.3,90.73 ; D321.B4 240.59,91.44 ; 190.5,67.87 D318.B13 ; D318.B13 191.21,68.58 ; D318.B13 189.79,68.58 ; D318.B13 190.5,69.29 ; 316.69,350.52 D114.B13 ; D114.B13 317.5,351.33 ; D114.B13 317.5,349.71 ; D114.B13 318.31,350.52 ; 325.12,85.65 D301.A8 ; D301.A8 325.83,86.36 ; D301.A8 324.41,86.36 ; D301.A8 325.12,87.07 ; 331.43,185.95 SITE4.G19 ; SITE4.G19 331.91,186.43 ; SITE4.G19 330.95,186.43 ; SITE4.G19 331.43,186.91 ; D111.A13 391.16,376.73 ; D111.A13 390.35,375.92 ; D111.A13 391.97,375.92 ; D111.A13 391.16,375.11 ; D126.B4 20.32,82.09 ; D126.B4 20.32,80.47 ; D126.B4 21.13,81.28 ; D126.B4 19.51,81.28 ; D129.A4 93.98,97.33 ; D129.A4 93.17,96.52 ; D129.A4 93.98,95.71 ; D129.A4 94.79,96.52 ; D108.B8 399.59,40.64 ; D108.B8 398.78,41.45 ; D108.B8 398.78,39.83 ; D108.B8 397.97,40.64 ; D127.B3 18.59,58.42 ; D127.B3 17.78,57.61 ; D127.B3 16.97,58.42 ; D127.B3 17.78,59.23 ; D126.B6 26.21,81.28 ; D126.B6 25.4,82.09 ; D126.B6 25.4,80.47 ; D126.B6 24.59,81.28 ; D111.A9 402.13,375.92 ; D111.A9 401.32,375.11 ; D111.A9 400.51,375.92 ; D111.A9 401.32,376.73 ; 316.69,53.34 D103.A5 ; D103.A5 318.31,53.34 ; D103.A5 317.5,54.15 ; D103.A5 317.5,52.53 ; D321.B13 264.16,89.61 ; D321.B13 263.45,88.9 ; D321.B13 264.16,88.19 ; D321.B13 264.87,88.9 ; D116.B11 322.58,391.97 ; D116.B11 322.58,390.35 ; D116.B11 321.77,391.16 ; D116.B11 323.39,391.16 ; 317.5,390.35 D116.B13 ; D116.B13 318.31,391.16 ; D116.B13 317.5,391.97 ; D116.B13 316.69,391.16 ; 482.59,184.17 UNK4U1.4 ; UNK4U1.4 481.65,185.11 ; UNK4U1.4 483.53,185.11 ; UNK4U1.4 482.59,186.05 ; D322.B4 242.01,71.12 ; D322.B4 241.3,71.83 ; D322.B4 240.59,71.12 ; D322.B4 241.3,70.41 ; 332.63,245.95 SITE2.G20 ; SITE2.G20 333.11,246.43 ; SITE2.G20 332.15,246.43 ; SITE2.G20 332.63,246.91 ; 172.01,91.44 D317.B6 ; D317.B6 173.43,91.44 ; D317.B6 172.72,90.73 ; D317.B6 172.72,92.15 ; D321.B10 256.54,92.15 ; D321.B10 255.83,91.44 ; D321.B10 257.25,91.44 ; D321.B10 256.54,90.73 ; D132.B4 93.98,41.45 ; D132.B4 93.17,40.64 ; D132.B4 94.79,40.64 ; D132.B4 93.98,39.83 ; D123.A11 259.08,54.15 ; D123.A11 258.27,53.34 ; D123.A11 259.89,53.34 ; D123.A11 259.08,52.53 ; SITE4.G14 330.71,182.83 ; SITE4.G14 330.23,183.31 ; SITE4.G14 330.23,182.35 ; SITE4.G14 329.75,182.83 ; 187.96,372.57 D231.A6 ; D231.A6 188.77,373.38 ; D231.A6 187.96,374.19 ; D231.A6 187.15,373.38 ; D126.B1 13.51,78.74 ; D126.B1 11.89,78.74 ; D126.B1 12.7,77.93 ; D126.B1 12.7,79.55 ; D120.B8 177.8,41.45 ; D120.B8 177.8,39.83 ; D120.B8 178.61,40.64 ; D120.B8 176.99,40.64 ; D306.A5 391.16,64.21 ; D306.A5 390.45,63.5 ; D306.A5 391.16,62.79 ; D306.A5 391.87,63.5 ; 165.1,380.19 D431.B15 ; D431.B15 165.1,381.81 ; D431.B15 164.29,381 ; D431.B15 165.91,381 ; 160.02,72.85 D118.A1 ; D118.A1 160.02,74.47 ; D118.A1 160.83,73.66 ; D118.A1 159.21,73.66 ; 176.99,81.28 D118.B8 ; D118.B8 177.8,80.47 ; D118.B8 178.61,81.28 ; D118.B8 177.8,82.09 ; D113.A7 333.55,335.28 ; D113.A7 332.74,336.09 ; D113.A7 331.93,335.28 ; D113.A7 332.74,334.47 ; 14.43,60.96 D127.B2 ; D127.B2 16.05,60.96 ; D127.B2 15.24,61.77 ; D127.B2 15.24,60.15 ; 345.44,85.65 D301.A16 ; D301.A16 346.15,86.36 ; D301.A16 345.44,87.07 ; D301.A16 344.73,86.36 ; D112.B6 408.94,389.43 ; D112.B6 409.75,388.62 ; D112.B6 408.94,387.81 ; D112.B6 408.13,388.62 ; D431.B1 200.66,381.81 ; D431.B1 199.85,381 ; D431.B1 200.66,380.19 ; D431.B1 201.47,381 ; D106.B11 406.4,79.55 ; D106.B11 407.21,78.74 ; D106.B11 406.4,77.93 ; D106.B11 405.59,78.74 ; 408.94,65.33 D306.A12 ; D306.A12 408.23,66.04 ; D306.A12 409.65,66.04 ; D306.A12 408.94,66.75 ; 418.29,368.3 D111.B2 ; D111.B2 419.91,368.3 ; D111.B2 419.1,369.11 ; D111.B2 419.1,367.49 ; D114.B6 335.28,348.79 ; D114.B6 336.09,347.98 ; D114.B6 334.47,347.98 ; D114.B6 335.28,347.17 ; D123.A15 270.05,53.34 ; D123.A15 269.24,54.15 ; D123.A15 268.43,53.34 ; D123.A15 269.24,52.53 ; D104.A9 328.47,33.02 ; D104.A9 326.85,33.02 ; D104.A9 327.66,33.83 ; D104.A9 327.66,32.21 ; 182.88,80.47 D118.B10 ; D118.B10 182.88,82.09 ; D118.B10 182.07,81.28 ; D118.B10 183.69,81.28 ; SITE2.G14 330.23,243.31 ; SITE2.G14 330.23,242.35 ; SITE2.G14 329.75,242.83 ; SITE2.G14 330.71,242.83 ; 406.4,349.71 D110.B7 ; D110.B7 407.21,350.52 ; D110.B7 406.4,351.33 ; D110.B7 405.59,350.52 ; 187.96,382.73 D431.A6 ; D431.A6 187.96,384.35 ; D431.A6 188.77,383.54 ; D431.A6 187.15,383.54 ; 273.51,330.2 CSDPS225.C1 ; CSDPS225.C1 274.32,329.39 ; CSDPS225.C1 274.32,331.01 ; CSDPS225.C1 275.13,330.2 ; D231.A14 168.45,373.38 ; D231.A14 167.64,374.19 ; D231.A14 166.83,373.38 ; D231.A14 167.64,372.57 ; D106.A16 419.1,77.01 ; D106.A16 419.1,75.39 ; D106.A16 419.91,76.2 ; D106.A16 418.29,76.2 ; D131.B5 96.52,59.23 ; D131.B5 95.71,58.42 ; D131.B5 96.52,57.61 ; D131.B5 97.33,58.42 ; D116.A8 331.01,393.7 ; D116.A8 330.2,392.89 ; D116.A8 329.39,393.7 ; D116.A8 330.2,394.51 ; D125.A15 48.26,94.79 ; D125.A15 48.26,93.17 ; D125.A15 49.07,93.98 ; D125.A15 47.45,93.98 ; 164.29,370.84 D231.B15 ; D231.B15 165.1,370.03 ; D231.B15 165.1,371.65 ; D231.B15 165.91,370.84 ; D114.A6 335.28,353.87 ; D114.A6 334.47,353.06 ; D114.A6 335.28,352.25 ; D114.A6 336.09,353.06 ; DPS1.A05 391.16,14.78 ; DPS1.A05 391.16,13.16 ; DPS1.A05 391.97,13.97 ; DPS1.A05 390.35,13.97 ; 328.55,182.83 SITE4.G13 ; SITE4.G13 329.51,182.83 ; SITE4.G13 329.03,182.35 ; SITE4.G13 329.03,183.31 ; CSDPS429.B12 172.72,343.71 ; CSDPS429.B12 173.53,342.9 ; CSDPS429.B12 171.91,342.9 ; CSDPS429.B12 172.72,342.09 ; 381,52.53 D107.A1 ; D107.A1 381,54.15 ; D107.A1 380.19,53.34 ; D107.A1 381.81,53.34 ; 386.08,62.79 D306.A3 ; D306.A3 386.79,63.5 ; D306.A3 385.37,63.5 ; D306.A3 386.08,64.21 ; D301.A6 320.75,86.36 ; D301.A6 320.04,85.65 ; D301.A6 319.33,86.36 ; D301.A6 320.04,87.07 ; 347.98,349.71 D114.B1 ; D114.B1 347.17,350.52 ; D114.B1 348.79,350.52 ; D114.B1 347.98,351.33 ; 332.74,67.87 D302.B11 ; D302.B11 333.45,68.58 ; D302.B11 332.74,69.29 ; D302.B11 332.03,68.58 ; 400.51,38.1 D108.B9 ; D108.B9 401.32,37.29 ; D108.B9 402.13,38.1 ; D108.B9 401.32,38.91 ; D306.A6 394.41,66.04 ; D306.A6 392.99,66.04 ; D306.A6 393.7,65.33 ; D306.A6 393.7,66.75 ; D106.B12 409.75,81.28 ; D106.B12 408.13,81.28 ; D106.B12 408.94,82.09 ; D106.B12 408.94,80.47 ; 187.15,332.74 CSDPS229.B6 ; CSDPS229.B6 187.96,333.55 ; CSDPS229.B6 187.96,331.93 ; CSDPS229.B6 188.77,332.74 ; 266.7,65.33 D322.A14 ; D322.A14 267.41,66.04 ; D322.A14 266.7,66.75 ; D322.A14 265.99,66.04 ; DPS8.C15 165.1,411.02 ; DPS8.C15 164.29,410.21 ; DPS8.C15 165.1,409.4 ; DPS8.C15 165.91,410.21 ; 337.82,57.61 D103.B13 ; D103.B13 337.01,58.42 ; D103.B13 337.82,59.23 ; D103.B13 338.63,58.42 ; D118.A15 196.39,73.66 ; D118.A15 195.58,74.47 ; D118.A15 194.77,73.66 ; D118.A15 195.58,72.85 ; 11.89,53.34 D127.A1 ; D127.A1 13.51,53.34 ; D127.A1 12.7,52.53 ; D127.A1 12.7,54.15 ; D113.B2 345.44,328.47 ; D113.B2 346.25,327.66 ; D113.B2 344.63,327.66 ; D113.B2 345.44,326.85 ; 171.91,378.46 D431.B12 ; D431.B12 173.53,378.46 ; D431.B12 172.72,379.27 ; D431.B12 172.72,377.65 ; 418.39,91.44 D305.B16 ; D305.B16 419.1,90.73 ; D305.B16 419.81,91.44 ; D305.B16 419.1,92.15 ; 20.32,95.71 D125.A4 ; D125.A4 19.51,96.52 ; D125.A4 21.13,96.52 ; D125.A4 20.32,97.33 ; 161.75,368.3 D231.B16 ; D231.B16 163.37,368.3 ; D231.B16 162.56,369.11 ; D231.B16 162.56,367.49 ; 182.88,342.09 CSDPS429.B8 ; CSDPS429.B8 182.07,342.9 ; CSDPS429.B8 183.69,342.9 